# Altium PCB 891-萱250721-1.pcbdoc (part 2 of 5)
Units mil, origin at the board's own origin, x right, y up, seen from the top; angles counter-clockwise.
Board outline 6501 x 4678 mil, 4 copper layers (TopLayer, MidLayer1, MidLayer2, BottomLayer); 362 components, 337 nets, 1348 pads, 1372 vias.
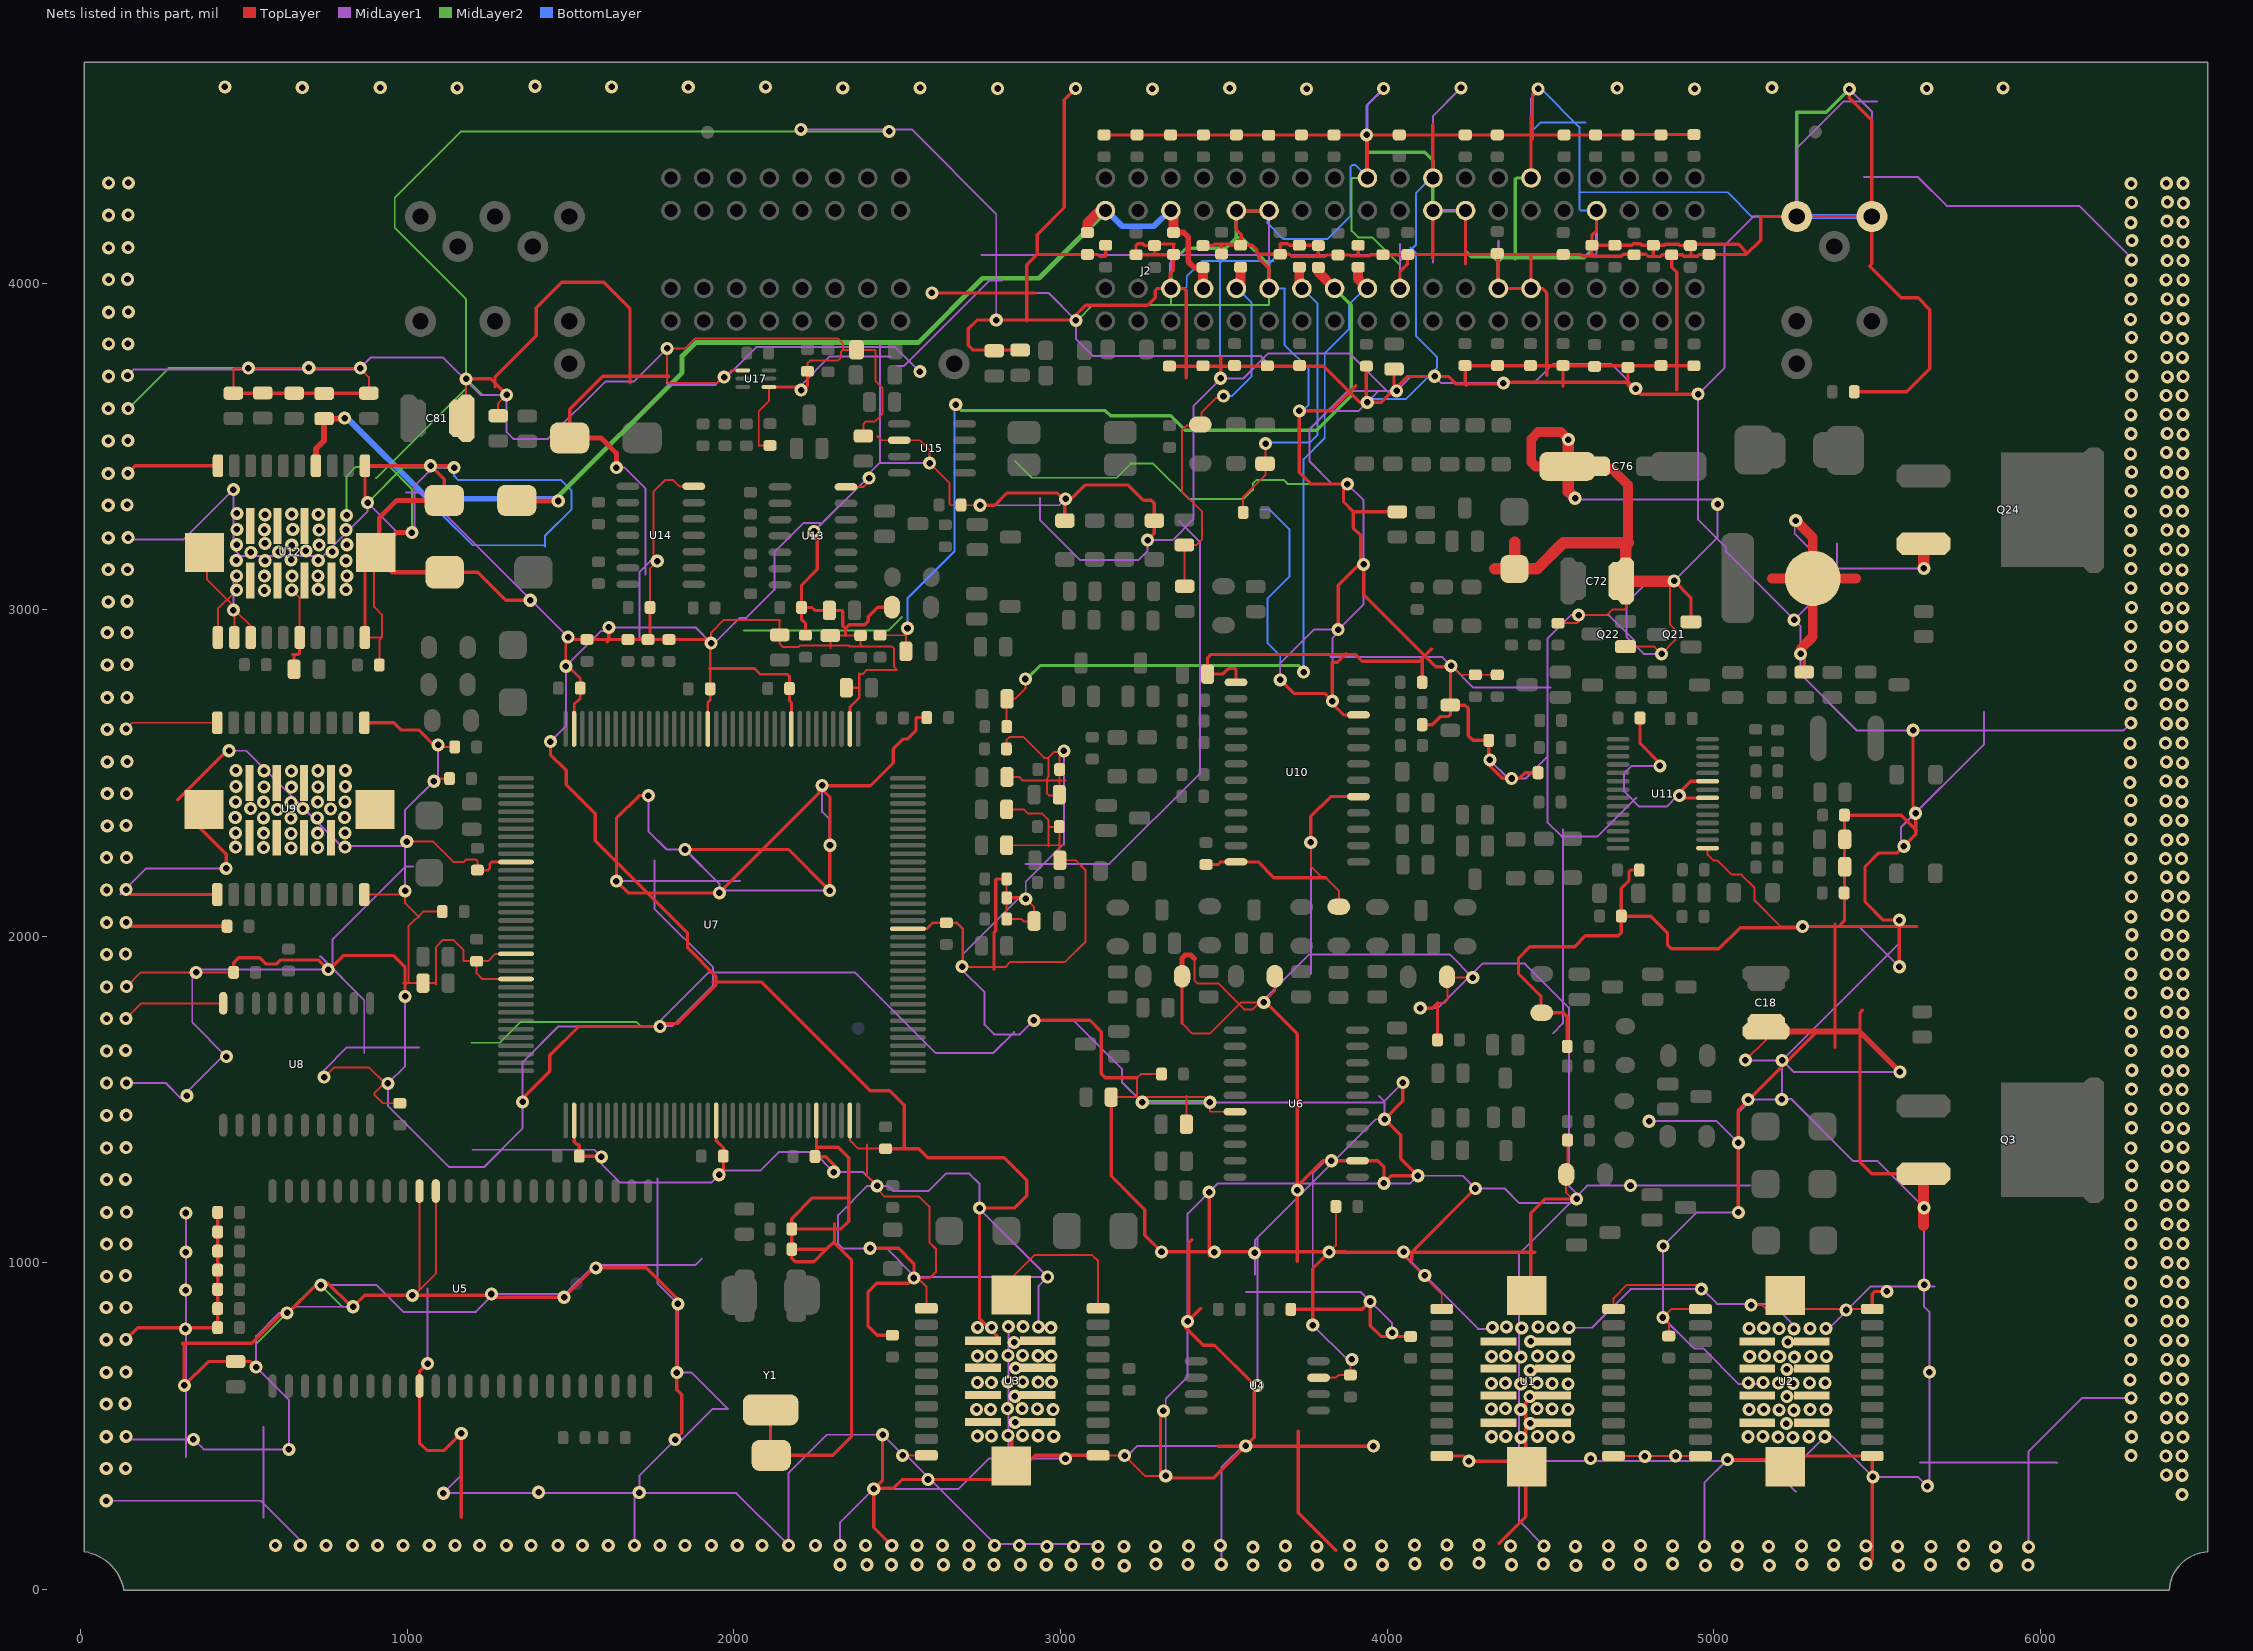
[diagram p4: the nets of this part, all layers, seen from the top]

## Via types
v1: diameter 40, hole 20, TopLayer to BottomLayer, 1372 vias

## Nets (pads, with @x,y where several pads share a name; then routed paths per layer and width w, separated by ;. In a path a pad name is that pad's centre, name@x,y a point inside that pad or via, vN(x,y) a via of type N, cw(c..) or ccw(c..) an arc to the next point about the centre after c; other vN are vias at no path point) (continued)
NewNet22: C1.2 C3.2 C4.2 C5.1 C6.1 C8.1 C9.2 C11.2 C12.2 C13.2 C14.1 C15.1 C16.2 C17.2 C18.2 C19.2 C20.2 C21.2 C22.1 C23.1 C24.2 C25.1 C26.2 C27.1 C28.1 C29.1 C30.1 C31.2 C32.1 C33.1 C34.1 C35.2 C36.1 C38.1 C39.1 C40.2 C41.1 C42.2 C44.1 C46.2 C47.1 C48.1 C50.1 C51.1 C53.2 C54.2 C55.2 C56.2 C57.2 C58.2 C59.1 C60.1 C61.2 C62.2 C63.2 C64.2 C65.2 C66.2 C67.2 C68.2 C69.2 C70.2 C71.2 C72.2 C73.2 C74.2 C75.2 C76.2 C77.2 C78.2 C80.2 C81.2 C82.2 C83.2 C84.2 C85.2 C87.2 C88.1 C89.2 C90.2 C91.2 C92.2 C93.2 C94.2 C95.2 C96.2 C97.2 C98.2 C99.2 C100.2 C101.2 C102.2 C103.2 C104.2 C105.2 C106.2 C107.2 C108.2 C109.2 C110.2 C111.2 C112.2 C113.2 C114.1 C115.1 C116.1 C117.1 C118.1 C119.1 C120.1 C121.1 C122.1 C123.1 C124.1 C125.1 C126.1 C127.2 C128.2 C129.2 C130.2 C131.2 C132.2 C133.2 C134.2 C135.2 C136.2 C137.2 C138.2 C139.2 C140.2 C141.2 C142.2 D12.2 J1.2 J2.38 J2.41 J2.45 J2.48 J2.49 J2.67 J2.68 J2.73 J2.74 J2.78 J2.98 J2.100 J2.103 J2.109 J2.113 Q3.3 Q21.2 Q22.1 Q24.3 R3.2 R4.2 R5.2 R6.2 R8.2 R9.1 R11.2 R12.1 R13.2 R15.2 R19.2 R20.2 R23.2 R28.2 R30.2 R37.2 R38.1 R39.2 R40.2 R41.1 R49.2 R51.2 R65.1 R72.1 R96.2 R98.2 R106.2 R113.2 R114.2 R123.1 R126.1 R134.1 R147.2 R149.2 R152.1 R154.1 R155.2 R158.1 U1.1 U1.10 U1.11 U1.20 U1.21 U1.22 U1.23 U1.24 U1.25 U1.26 U1.27 U1.28 U1.29 U1.30 U2.1 U2.10 U2.11 U2.20 U2.21 U2.22 U2.23 U2.24 U2.25 U2.26 U2.27 U2.28 U2.29 U2.30 U3.1 U3.10 U3.11 U3.20 U3.21 U3.22 U3.23 U3.24 U3.25 U3.26 U3.27 U3.28 U3.29 U3.30 U4.3 U5.14 U5.15 U5.34 U6.2 U6.16 U7.18 U7.38 U7.45 U7.55 U7.71 U7.83 U7.94 U7.97 U7.110 U7.127 U7.139 U7.143 U8.10 U9.1 U9.10 U9.11 U9.20 U9.21 U9.22 U9.23 U9.24 U9.25 U9.26 U9.27 U9.28 U9.29 U9.30 U10.5 U10.10 U10.13 U10.24 U11.15 U11.21 U11.23 U12.1 U12.10 U12.11 U12.12 U12.13 U12.16 U12.20 U12.21 U12.22 U12.23 U12.24 U12.25 U12.26 U12.27 U12.28 U12.29 U12.30 U13.7 U14.7 U15.2 U17.1 U17.4 Y1.3 Y1.4 | length 176690.1
  TopLayer w6: v1(138,1748) 185,1795 U8.10@436,1795 ; v1(139,2635) 158,2654 U9.10@418,2654 ; v1(140,1846) 184,1890 R41.1@468,1890 ; U12.21@386,3167 386,3094 467,3013 v1(467,2999) v1@470,2996 ; U12.11@420,2915 420,3003 v1(477,3060) ; C83.2@467,3663 467,3737 470,3740 854,3740 882,3712 C85.2@882,3663 ; U12.12@470,2915 v1@470,2996 ; U12.13@520,2915 520,2951 475,2996 v1@470,2996 ; v1(646,3061) 670,3037 U12.16@670,2915 ; v1(745,1569) 774,1598 883,1598 930,1551 900,1521 900,1513 924,1489 C15.1@977,1489 ; U9.20@868,2128 982,2128 v1(993,2139) 993,2101 1036,2058 ; U12.20@870,2915 922,2915 ; U12.22@898,3154 898,3009 922,2985 922,2915 ; R98.2@914,2831 914,2907 922,2915 ; v1(993,1816) 993,1851 ; v1(998,2290) 1079,2290 1141,2228 1173,2228 1181,2236 1209,2236 1214,2231 C30.1@1214,2203 ; U5.15@1037,1220 1037,917 1011,891 1087,967 U5.14@1087,1220 ; v1(1094,2586) 1100,2580 C44.1@1145,2580 ; C24.2@1107,2076 1048,2076 1004,2032 1004,1862 993,1851 ; C81.2@1180,3586 v1(1180,3707) ; C80.2@1278,3594 1278,3632 v1(1304,3658) ; U7.97@1333,1869.5 1229.5,1869.5 1212,1887 C19.2@1212,1924 ; U7.94@1333,1946.27 1269.27,1946.27 1247,1924 C19.2@1212,1924 ; C70.2@1743,3007 1743,3127 v1(1765,3149) 1752.91,3161.09 1752.91,3360.88 1788.74,3396.71 1813.74,3396.71 1832.46,3378 U14.7@1877,3378 ; v1(1930,2898) 1930,2930 1969,2969 2141,2969 2140,2968 2140,2896 2150,2886 2197,2886 2201,2890 2352,2890 2354,2888 2393,2888 ; U17.1@2027,3733 1992.11,3733 1967.49,3708.38 1963.74,3708.38 1949.16,3693.8 1799.99,3693.8 1795,3698.79 v1(1795,3800) 1850.36,3800 1881.24,3830.88 2318.33,3830.88 2334.28,3814.93 2334.28,3796 ; U17.4@2107,3682 2107,3639.14 2075.83,3607.96 2075.83,3503.38 2076.21,3503 R147.2@2110,3503 ; R154.1@2225,3730 2225,3754.64 2233.33,3762.96 2318.33,3762.96 2327.08,3771.71 2327.08,3788.8 2334.28,3796 ; 2295,2883 C62.2@2295,2921 C68.2@2388,2921 2388,2893 2393,2888 ; U13.7@2343,3376 2397.2,3376 2414,3392.8 v1(2414,3403) ; U7.143@2355.24,1436.33 2355.24,1375.76 2381,1350 C14.1@2464,1350 ; 2384,2804 2395,2804 2407,2816 2499,2816 2490,2825 2490,2881 2483,2888 2393,2888 ; C77.2@2396,3532 2396,3568.55 2404.16,3576.71 2432.08,3576.71 2454.16,3598.8 2454.16,3679.63 2432.91,3700.88 2432.91,3794.63 2431.54,3796 R158.1@2375,3796 2334.28,3796 ; 2407,1363 2407,1267 v1(2438,1236) 2438,1226.77 2461.39,1203.38 2567.08,1203.38 2597.91,1172.55 2597.91,1063.38 2618.5,1042.79 2618.5,972.44 2600.06,954 v1(2551,954) 2563,954 2589,928 U3.11@2589,861 ; 2438.87,3532 2451.87,3519 U15.2@2506,3519 2568.12,3519 2598.74,3488.38 v1(2598.74,3449.21) 2660.41,3387.55 2660.41,3323.8 2664.16,3320.05 v1(2753.33,3320.05) ; v1@2507,404 2514,411 U3.20@2589,411 ; v1@2701,1906 2830.53,1906 2846.24,1921.71 3013.74,1921.71 3076.24,1984.21 3076.24,2202.55 3045.79,2233 R65.1@2998,2233 2996,2235 C34.1@2996,2336 2994.21,2334.21 2963.74,2334.21 ; C42.2@2834,2574 2834,2600.72 2844.16,2610.88 2885.41,2610.88 2949.58,2546.71 2962.91,2546.71 ; C27.1@2835,2176 C22.1@2835,2053 2880.37,2053 2887.91,2045.46 2917.46,2045.46 R51.2@2919,2047 2919,2089.37 v1(2893.33,2115.05) ; C32.1@2835,2279 3012.7,2279 ; C36.1@2835,2389 2887.71,2389 2900.83,2375.88 2943.33,2375.88 2963.33,2355.88 2963.33,2277.55 2962.49,2276.71 ; C38.1@2836,2488 2873.29,2488 2884.58,2476.71 3015.41,2476.71 ; U3.21@2849,902 2849,953 2921,1025 3096,1025 3115,1006 U3.10@3115,861 ; v1(3010,2568) v1@3010,2564.64 ; U3.1@3115,411 3195,411 3258,348 v1(3322,348) ; R23.2@3155,1508 3441,1508 v1(3457,1492) 3457,1463.04 3457.04,1463 U6.16@3534,1463 ; v1(3250,1492) 3233.74,1508.26 3233.74,1566.71 3245.03,1578 C16.2@3309,1578 ; 3372,1733.46 3402.91,1702.55 3457.08,1702.55 3552.53,1798 v1(3622,1798) 3656,1832 R40.2@3656,1878 ; R20.2@3385,1425 3385,1511.72 ; 3409.58,1932.13 3409.58,1866.1 3420.63,1855.05 3483.66,1855.05 3561.99,1776.71 3588.74,1776.71 v1@3610.41,1798.38 ; v1(3766,2288) 3766,2214.46 3801.24,2179.21 3812.08,2179.21 3852,2139.29 R49.2@3852,2091 ; U4.3@3790,648.67 3842.67,648.67 3851,657 C1.2@3887,657 3887,700 v1(3892,705) ; v1(3822,1033) 3843,1054 C9.2@3843,1173 ; v1(3829,1313) U6.2@3909,1313 ; v1(4050,1034) 4050,1022 4167,905 U1.11@4167,859 ; 4154,1796.46 4175.57,1796.46 4185,1805.89 R38.1@4185,1874 ; R38.1@4183,1876 R38.1@4185,1874 ; v1(4196,2828) 4223,2801 C54.2@4270,2801 R96.2@4337,2801 ; v1(4262,1874) R38.1@4185,1874 ; R106.2@4523,2959 4581.86,2959 4586.24,2963.38 v1(4586.24,2983.38) 4672.49,2983.38 4689.99,3000.88 4726.24,3000.88 4732.08,3006.71 4732.08,3086.92 C72.2@4731,3088 ; R19.2@4552,1376 4552,1275 R15.2@4548,1271 4548,1215 4567,1196 v1(4580,1196) ; U1.1@4693,409 4788,409 v1(4789,408) 4790,409 U2.20@4959,409 ; U1.10@4693,859 4693,892 4734,933 4949,933 v1(4962,920) ; Q22.1@4730,2887 4818,2887 v1(4840,2865) 4840,2865.89 4882.08,2907.96 4882.08,2938.8 4865.41,2955.46 4865.41,3075.05 v1(4878.74,3088.38) ; v1@4841.66,837.96 4862.49,817.13 C5.1@4862.49,776.71 ; v1(4844,833) 4870,859 U2.11@4959,859 ; U11.15@4981,2270.32 4981,2250.29 4998.33,2232.96 5010.83,2232.96 5054.99,2188.8 5084.16,2188.8 5124.58,2148.38 5124.58,2110.46 5205.04,2030 v1(5272,2030) ; v1(5097,1621) 5160,1684 C18.2@5160,1709 ; v1(5114,871) 5148,871 5160,859 U2.10@5485,859 ; 993,1851 987,1857 1083,1857 1087,1853 1087,1967 1109,1989 1140,1989 1172,1957 1172,1924 C19.2@1212,1924 ; 2962.91,2546.71 2980.83,2564.64 v1@3010,2564.64 ; 2962.91,2546.71 2962.91,2487.96 2957.91,2482.96 2957.91,2437.96 2964.99,2430.88 2992.88,2430.88 R72.1@2996,2434 2996.24,2434.24 2996.24,2550.88 v1@3010,2564.64
  TopLayer w8: v1(1081,2475) 1089,2483 C39.1@1129,2483 ; C30.1@1214,2203 1247,2203 1252,2208 1252,2222 1257.76,2227.76 U7.83@1333,2227.76 ; U7.71@1510.76,2635.33 1510.76,2710.76 1522,2722 1523,2722 1529,2728 1529,2791 1493,2827 v1(1485,2827) 1485,2907 1487,2909 C63.2@1550,2909 ; U7.55@1920.2,2635.33 1920.2,2716.2 1927,2723 1927,2895 v1(1930,2898) ; 1925,2820 2063,2820 2081,2802 2164,2802 2170,2796 C57.2@2170,2759 2170,2722 2176.11,2715.89 U7.45@2176.11,2635.33 ; C55.2@2344,2761 2382,2761 ; U7.38@2355.24,2635.33 2355.24,2702.24 2384,2731 2384,2804 ; U7.18@2533,2023.04 2590.04,2023.04 2609,2042 C20.2@2650,2042 2682,2042 2701,2023 v1@2701,1906
  TopLayer w10: v1(138,766) 174,802 R3.2@419,802 R13.2@419,1155 ; v1(139,2043) 151,2031 C21.2@448,2031 ; v1(139,2143) 154,2128 U9.11@418,2128 ; v1(144,3418) 167,3441 U12.10@420,3441 ; 296.24,2418.38 446.24,2568.38 v1(454.16,2568.38) ; U9.21@341.24,2405.88 341.24,2355.05 445,2251.29 v1(445,2208) ; C83.2@467,3663 C85.2@882,3663 ; R41.1@468,1890 468,1918.89 483.33,1934.21 547.49,1934.21 566.24,1915.46 599.58,1915.46 612.08,1927.96 727.04,1927.96 v1(757,1898) 760.86,1898 804.58,1941.71 956.24,1941.71 993,1904.96 v1(993,1816) ; v1(537,681) 520,698 C3.2@474,698 390,698 v1(317,625) 317,748.46 311.24,754.21 523.74,754.21 609.58,840.05 627.91,840.05 726.24,938.38 756.24,938.38 824.58,870.05 838.05,870.05 869,901 1261,901 1267,895 v1(1480,895) 1570,985 v1(1577,985) 1731.29,985 1825,891.29 v1(1825,664) 1825,612.12 1840.41,596.71 1840.41,479.41 v1(1820,459) ; C61.2@653,2818 653,2859 649,2863 666,2863 670,2867 U12.16@670,2915 ; U9.1@868,2654 958,2654 980,2632 1035,2632 1081,2586 v1(1094,2586) ; U12.20@870,2915 870,3142 U12.22@903,3175 ; v1(878,3328) 870,3336 U12.1@870,3441 1137,3441 v1(1143,3435) ; v1(1062,692) 1037,667 U5.34@1037,623 1037,449 1060,426 1113,426 v1(1165,478) 1165,220.46 ; v1(1071,3441) 1113,3399 C75.2@1113,3335 ; C73.2@1114,3115 1215.46,3115 1301.24,3029.21 v1(1376.24,3029.21) ; v1(1180,3707) 1255,3707 v1(1304,3658) ; 1267.91,3681.71 1267.91,3712.55 1394.58,3839.21 1394.58,3925.05 1472.08,4002.55 1601.24,4002.55 1681.24,3922.55 1681.24,3695.05 ; v1(1353,1493) 1353,1504.3 1436.24,1587.55 1436.24,1635.88 1524.36,1724 v1(1774,1724) ; v1(1438,2596) 1438,2556.62 1486.24,2508.38 1486.24,2464.21 1575.41,2375.05 1575.41,2292.55 1857.91,2010.05 1857.91,1965.05 1944.58,1878.38 1944.58,1850.05 1827.91,1733.38 v1@1766.24,1733.38 ; C78.2@1497,3526 1497,3614.14 1597.91,3715.05 1800.41,3715.05 ; U7.110@1510.76,1436.33 1510.76,1371.24 1519,1363 1523,1363 1526,1360 C12.2@1526,1327 1592,1327 v1(1594,1325) ; C63.2@1550,2909 C64.2@1675,2909 1919,2909 v1(1930,2898) ; 1612.08,2901.71 1616.66,2906.3 v1(1616.66,2945.88) ; C65.2@1737,2909 1743,2915 C70.2@1743,3007 ; v1(1738,2431) 1709.7,2431 1640,2361.3 v1(1640,2169) 1676,2133 v1(1955,2133) 2259.58,2437.58 v1@2259.58,2460.88 ; v1(1850,2266) 2167,2266 v1(2293,2140) 2293,2278 v1(2294,2279) 2294,2426.46 v1@2259.58,2460.88 ; 1934.58,1860.05 2084.58,1860.05 2417.08,1527.55 2476.24,1527.55 2521.24,1482.55 2521.24,1351.71 2519.53,1350 ; U7.127@1945.8,1436.33 1945.8,1374.2 1968,1352 1968,1276 v1@1960,1268 ; U17.4@2107,3682 2194,3682 2208,3668 2225,3685 R154.1@2225,3730 ; Y1.3@2112,550 2112,413 Y1.4@2114,411 2302,411 2360,469 2360,1008 2308,1060 2308,1067 ; R12.1@2177,1104 2327,1104 2351,1128 2351,1322 2319,1354 2255,1354 ; C69.2@2219,2922 2219,2958.12 2207,2970.12 C71.2@2207,3007 ; v1(2245,3240) 2254.58,3230.42 2254.58,3123.38 2207,3075.8 C71.2@2207,3007 ; U7.139@2252.88,1436.33 2252.88,1325.12 2253,1325 2281,1325 2311,1295 v1@2311,1276 ; 2308,1120 2308,1067 ; 2341.5,2921 2341.5,2942.8 ; 2354,1199 2240,1199 2177,1136 R9.1@2177,1042 ; v1(2417,1045) 2504,1045 2551,998 v1(2551,954) 2535,938 2437,938 2410,911 2410,808 2439,779 C6.1@2485,779 ; v1@2442.08,310.05 2487.91,310.05 2514.86,337 2830.7,337 2850.41,356.71 v1@2850.41,465.88 ; v1(2455,474) 2455,335 v1(2428,308) 2428,190 v1(2483,135) ; C14.1@2464,1350 2519.53,1350 ; R114.2@2484,3008 2440.03,3008 2411.24,2979.21 2411.24,2965.46 2399.99,2954.21 2352.91,2954.21 2341.5,2942.8 ; C51.1@2590,2670 2559.53,2670 2557.08,2667.55 2557.08,2630.05 2531.66,2604.63 2518.74,2604.63 2487.91,2573.8 2487.91,2530.88 2417.91,2460.88 v1@2259.58,2460.88 ; v1(2606,3970) 2922.96,3970 ; v1(2753.33,3320.05) 2797.91,3320.05 2835.41,3357.55 2990.41,3357.55 v1@3013,3334.96 ; 2796.24,1898.8 2796.24,2012.13 2801.66,2017.55 2801.66,2173.8 2803.86,2176 C27.1@2835,2176 ; U3.23@2807.08,774.21 2752,829.29 v1(2752,1168) 2858.36,1168 2896.24,1205.88 2896.24,1253.38 2827.08,1322.55 2593.74,1322.55 2566.29,1350 2519.53,1350 ; C25.1@2835,2118 2890.37,2118 v1(2893.33,2115.05) ; U3.22@2858.74,346.71 2923.03,411 U3.1@3115,411 ; C88.1@2876,3795 2732.54,3795 2717.49,3810.05 2717.49,3860.46 2744.03,3887 v1(2803,3887) 3046,3887 v1(3047,3886) 3047,3902.47 3077.08,3932.55 3266.24,3932.55 3289.58,3955.88 3289.58,3977.55 3296.03,3984 J2.38@3337.56,3984 ; 2896.24,3883.8 2896.24,4055.88 2928.36,4088 ; v1(2918.33,1742.96) 3089.99,1742.96 3124.58,1708.38 3124.58,1579.21 3137.08,1566.71 3233.74,1566.71 ; R123.1@3013,3273 v1@3013,3334.96 ; v1(3046,4596) 3011.24,4561.24 3011.24,4231.71 2928.36,4148.83 2928.36,4088 ; C128.2@3133,4454 v1@3938.96,4454 ; C107.2@3138,4116 3138,4084.3 3135.41,4081.71 3119.58,4081.71 3113.74,4087.55 3082.45,4087.55 C119.1@3082,4088 2928.36,4088 ; R23.2@3155,1508 3155,1266.29 3257.91,1163.38 3257.91,1085.09 v1(3309,1034) 3869.79,1034 ; v1(3266.24,3213.38) 3287,3234.14 R126.1@3287,3273 3287,3325.96 3277.91,3335.05 3253.74,3335.05 3207.08,3381.71 3074.58,3381.71 3027.82,3334.96 v1@3013,3334.96 ; 3288,4087 C103.2@3288,4115 ; v1@3306.24,541.71 3306.24,349.21 3313.74,341.71 3468.71,341.71 3592.91,465.91 3592.91,626.71 3471.24,748.38 3436.24,748.38 3382.91,801.71 v1@3382.91,831.71 ; C92.2@3333,3746 3805.29,3746 3916.29,3635 v1(3939,3635) 3982.03,3635 4061.24,3714.21 4187.91,3714.21 4211.12,3691 4358,3691 4363.71,3696.71 4738.74,3696.71 4749.58,3685.88 4775.41,3660.05 v1(4952.08,3660.05) ; 3372,1733.46 R39.2@3372,1878 ; 3384.99,3710.46 3384.99,3976.71 3377.71,3984 J2.38@3337.56,3984 ; v1@3392.08,838.38 v1@3392.08,824.08 ; 3401.24,1070.88 3392.08,1061.71 v1@3392.08,824.08 ; 3428.74,860.74 v1@3392.08,824.08 ; C104.2@3436,4115 3466.61,4115 3471.24,4119.63 3515.83,4119.63 3519.46,4116 C108.2@3551,4116 ; C31.2@3445,2220 3482.45,2220 3490.45,2228 U10.24@3537,2228 3604.54,2228 3653.33,2179.21 3812.08,2179.21 ; v1@3455,1022.12 v1(3455,1217) ; 3482.7,439 v1(3958,439) ; v1(3489.99,3708.8) 3489.99,3772.13 ; C125.1@3493,4089 3493,4119.72 ; U10.13@3537,2778 3537,2817.62 3534.58,2820.05 3513.74,2820.05 3496.7,2803 C60.1@3450,2803 3450,2852.97 3460.41,2863.38 3902.08,2863.38 3922.91,2842.55 4098.74,2842.55 4107,2850.8 ; v1(3622,1798) 3628.29,1798 3725,1701.29 v1(3725,1223) 3725,1004.62 ; J2.41@3638.39,3984 3638.39,4044.57 3607.08,4075.88 3607.08,4088.38 ; J2.68@3638.39,4222 J2.67@3538.11,4222 3538.11,4164.01 3553.33,4148.8 3553.33,4118.33 C108.2@3551,4116 ; v1(3672.49,2785.05) 3713.74,2743.8 3808.2,2743.8 v1(3832,2720) ; C8.1@3705,858 3924,858 v1(3948,882) 3948,808 3981,775 C4.2@4072,775 ; v1@3723.74,1233.38 3803.36,1313 U6.2@3909,1313 3971.62,1313 3990,1294.62 v1(3990,1244) 4013,1267 v1(4094,1267) 4041.24,1319.76 4041.24,1391.71 3992.96,1440 v1(3992,1440) 4048,1496 v1(4048,1552) ; 3727.91,485.05 3727.91,235.05 3842.91,120.05 ; v1(3766,2288) 3766,2367.3 3826.7,2428 U10.5@3912,2428 ; v1(3772,810) 3772,983 v1(3822,1033) 4451.62,1033 ; C105.2@3788,4116 C109.2@3731,4116 3701.12,4116 3696.24,4120.88 3673.33,4120.88 3672.49,4120.05 C124.1@3672.49,4088.38 ; 3789,4084.79 C105.2@3789,4115 ; v1(3850,2939) 3850,3074.64 3918.74,3143.38 3918.74,3227.55 3896.29,3250 3896.29,3300 ; v1@3866.24,3383.38 3866.24,3330.05 3896.29,3300 ; 3873.74,2865.05 3847.83,2839.14 3832,2839.14 v1(3832,2720) ; v1(3878,3385) 3767.12,3385 3731,3421.12 v1(3731,3609) 3826.86,3609 3903.74,3685.88 ; 3911,4087.37 C110.2@3911,4116 ; U10.10@3912,2678 3866.21,2678 3832,2712.21 v1(3832,2720) ; v1(3928,3139) 3928,3046.62 4148.88,2825.74 v1@4193.74,2825.74 ; v1@3936,3638 C93.2@3936,3746 ; v1(3937,4454) C135.2@4037,4454 C136.2@4239,4454 C137.2@4337,4454 C138.2@4542,4454 C139.2@4638,4454 C140.2@4737,4454 ; J2.98@3939.22,4322 v1@3939.22,4451.78 ; C89.2@4021,3737 4021,3678 v1(4029,3670) ; C74.2@4031,3300 3896.29,3300 ; J2.45@4039.5,3984 4039.5,4035.8 4062,4058.3 4062,4087 C116.1@3987,4087 3947.78,4087 3943.74,4082.96 3889.99,4082.96 3886.96,4086 3813.45,4086 3809.58,4082.13 3707.08,4082.13 3700.83,4088.38 C124.1@3672.49,4088.38 ; C121.1@4063,4088 4169.54,4088 ; 4075.41,1009.21 4075.41,1033.38 v1(4270,1228) ; v1(4101.24,1780.05) 4137.59,1780.05 4154,1796.46 C17.2@4154,1683 ; C48.1@4107,2648 4137.95,2648 4163.33,2673.38 4189.16,2673.38 4193.74,2677.96 v1@4193.74,2825.74 ; C59.1@4107,2778 4107,2850.8 ; 4123.36,4088 C122.1@4539,4088 4591.62,4088 4596.17,4083.46 4627,4083.46 ; 4136.24,2880.05 4107,2850.8 ; 4139.78,4075.68 J2.73@4139.78,4222 ; J2.100@4139.78,4322 4139.78,4485.25 ; U1.20@4167,409 4234,409 v1(4250,393) 4452.46,393 U1.22@4482.91,362.55 ; C47.1@4193,2708 4238.29,2708 4248.33,2697.96 4248.33,2613.8 4261.66,2600.46 4310.54,2600.46 C46.2@4311,2600 4311,2524.87 4314.16,2521.71 4352.08,2483.8 4404.99,2483.8 4422.2,2501 C40.2@4462,2501 ; v1(4196,2828) v1@4193.74,2825.74 ; C98.2@4238,3748 C98.2@4239,3747 ; 4240.05,4059.57 J2.74@4240.05,4222 ; 4242.08,3687.55 4239,3690.62 C98.2@4239,3747 ; C126.1@4340.33,4087.67 J2.48@4340.33,3984 4474.37,3984 4488.33,3970.05 4488.33,3717.13 ; 4342.91,141.71 4424.58,223.38 4424.58,571.71 ; U1.21@4439.58,896.71 4439.58,1151.71 4483.86,1196 v1@4567,1196 ; J2.49@4440.61,3984 4440.61,4081.1 ; J2.103@4440.61,4322 4440.61,4511.08 ; 4444.58,4440.88 4444.58,4577.58 v1(4462,4595) ; 4538.43,3684.53 C101.2@4538.43,3748 ; R28.2@4551,1663 4551,1753.62 4538.62,1766 R30.2@4473,1766 4471.24,1767.76 4471.24,1815.88 4402.08,1885.05 4402.08,1933.38 4437.08,1968.38 4573.74,1968.38 4607.08,2001.71 4707.91,2001.71 4717,2010.8 C23.1@4717,2062 ; J2.78@4641.17,4222 4641.17,4160.8 4627,4146.64 C111.2@4627,4116 ; C90.2@4737,3742 4737,3689.29 v1@4759.58,3666.71 ; C140.2@4738,4455 C142.2@4939,4455 ; C28.1@4772,2203 4745.45,2203 4740.41,2197.96 4740.41,2170.46 4717,2147.05 C23.1@4717,2062 ; C50.1@4774,2669 4774,2590.62 4835,2529.62 v1(4835,2522) ; 4815,4082.54 C113.2@4815,4116 ; C118.1@4871,4087 4871,4048.62 4886.66,4032.96 4886.66,3673.8 ; v1(4878.74,3088.38) 4930,3037.12 Q21.2@4930,2963 ; 4929.95,4083.43 C106.2@4929.95,4115 ; C96.2@4939,3747 C98.2@4239,3747 ; U11.21@4981,2423.87 4901.59,2423.87 v1(4894.58,2430.88) 4894.58,2440.05 4929.58,2475.05 U11.23@4981,2475.05 ; v1(5042,398) 5189.12,398 U2.22@5237.08,350.05 ; v1(5075,1155) 5075,1467.14 5320.41,1712.55 ; U2.22@5213,409 U2.1@5485,409 5485,92 v1@5476,83 ; v1(5266,2865) 5277,2854 C53.2@5277,2809 ; v1@5285.41,2026.71 5080.41,2026.71 5015.41,1961.71 4870.41,1961.71 4857.91,1974.21 4857.91,2010.88 4806.79,2062 C23.1@4717,2062 ; 5371.24,1660.05 5371.24,2036.71 ; v1(5415,4594) 5415,4567.96 5484,4498.96 J2.113@5484,4204 ; C87.2@5429.91,3667.55 5591.24,3667.55 5661.24,3737.55 5661.24,3919.21 5625.41,3955.05 5573.74,3955.05 5477.08,4051.71 5484,4058.64 J2.113@5484,4204 ; 5454.58,1773.38 5447.91,1766.71 5447.91,1308.38 5483.29,1273 Q3.3@5642,1273 ; U2.10@5485,859 5485,904.64 5493.36,913 v1(5530,913) ; v1(5568,1907) 5568,2034.86 5552.86,2050 5518.79,2050 5462.91,2105.88 5462.91,2213.8 5504.58,2255.46 5561.46,2255.46 5618,2312 v1(5618,2377) 5610,2385 v1(5610,2631) ; 5619.58,2325.05 5573.62,2371 C35.2@5400,2371 5400,2132.12 5400,2047.14 5382.86,2030 v1(5272,2030) 5622.12,2030 ; R9.1@2177,1042 2177,1015 2188,1004 2245,1004 2283,1042 ; R9.1@2177,1042 2283,1042 ; C71.2@2207,3007 2238.87,3007 2247.87,2998 R113.2@2292,2998 2329.96,2998 2332.91,2995.05 2332.91,2951.39 2341.5,2942.8 ; 2283,1042 2308,1067 ; J2.38@3337.56,3984 3335.41,3986.14 3335.41,4030.12 3346,4040.71 C120.1@3346,4088 ; C120.1@3346,4088 3346,4117.3 3348.74,4120.05 3305.83,4120.05 3300.78,4115 3257.12,4115 3251.24,4120.88 3235.83,4120.88 3231,4116.05 C115.1@3231,4087 3345,4087 C120.1@3346,4088 ; C108.2@3551,4116 3586.96,4116 3600.41,4102.55 3600.41,4095.05 3607.08,4088.38 ; 3607.08,4088.38 C124.1@3672.49,4088.38 ; 4627,4083.46 4627.91,4082.55 4716.24,4082.55 4722.08,4088.38 4792.08,4088.38 4798.74,4081.71 4837.49,4081.71 4842.78,4087 4903.46,4087 4908.33,4082.13 4951.24,4082.13 4957.11,4088 5100.03,4088 ; 4627,4083.46 C111.2@4627,4116 ; C111.2@4627,4116 C112.2@4697,4116 4749.28,4116 4753.74,4120.46 4775.41,4120.46 4779.87,4116 C113.2@4815,4116 ; C113.2@4815,4116 4848.03,4116 4851.24,4119.21 4893.33,4119.21 4897.54,4115 C106.2@4929.95,4115 ; C106.2@4929.95,4115 4933.74,4118.8 5075.83,4118.8 5100.03,4094.59 5100.03,4088 ; 5100.03,4088 5143.74,4131.71 5143.74,4201.71 5146.03,4204 J2.109@5254,4204 J2.113@5484,4204